# Altium PCB Main_PCB.PcbDoc (part 3 of 13)
Units mil, origin at the board's own origin, x right, y up, seen from the top; angles counter-clockwise.
Board outline 5200 x 6000 mil, 12 copper layers (Top (L1), Int1 (l2), Int2 (L3), Int3 (L4), Int4 (L5), Int5 (L6), Int6 (L7), Int7 (L8), Int8 (L9), Int9 (L10), Int10 (L11), Bot (L12)), stack 94.81 mil thick; 88 components, 424 nets, 1789 pads, 1684 vias.
Unrouted connection lines stored in the file: 914.
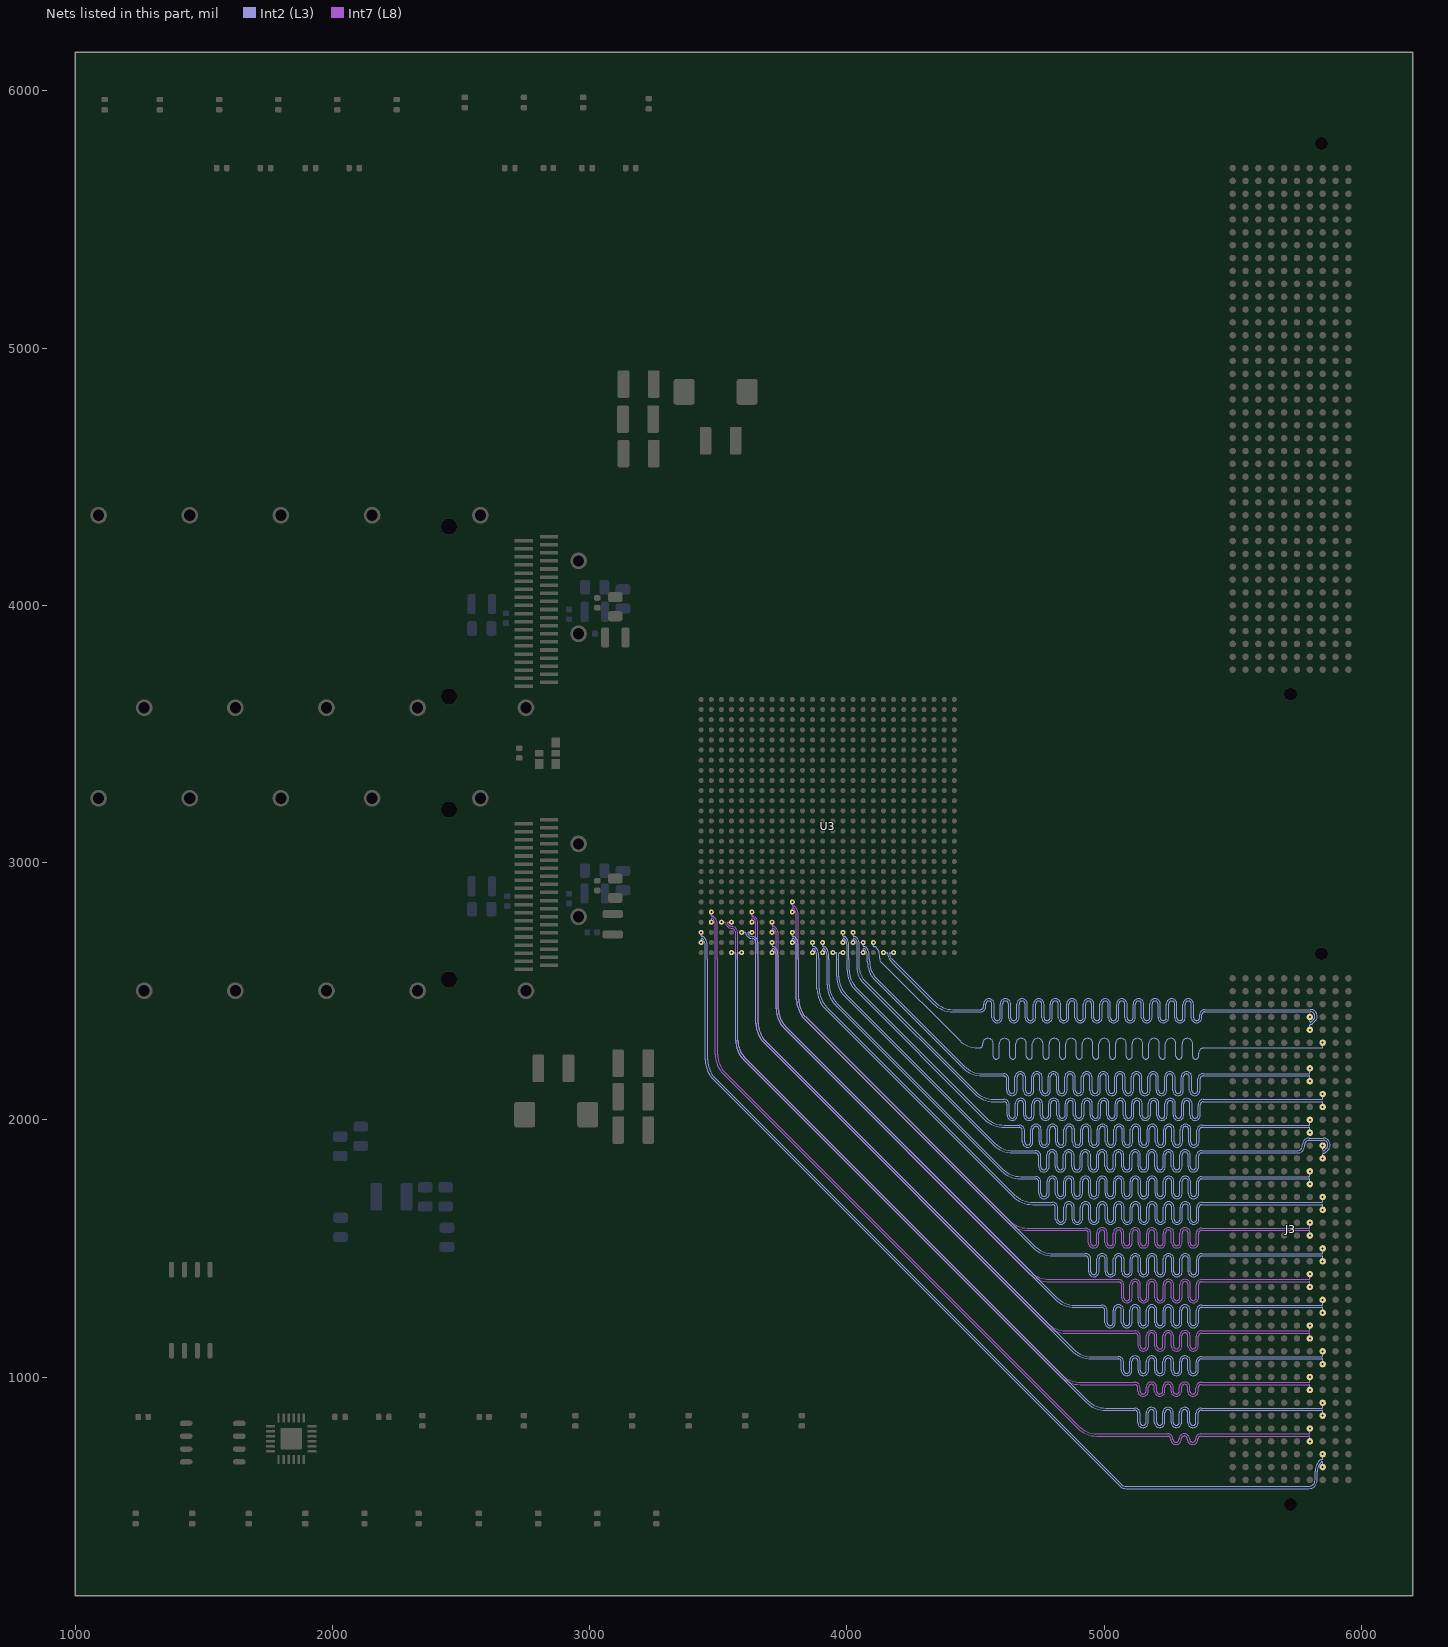
[diagram p13: the nets of this part, all layers, seen from the top]

## Via types
v1: diameter 13.78, hole 7.87, Top (L1) to Bot (L12), tented both sides, 1680 vias
v2: diameter 19.68, hole 7.87, Top (L1) to Bot (L12), tented both sides, 4 vias

## Nets (pads, with @x,y where several pads share a name; then routed paths per layer and width w, separated by ;. In a path a pad name is that pad's centre, name@x,y a point inside that pad or via, vN(x,y) a via of type N, cw(c..) or ccw(c..) an arc to the next point about the centre after c; other vN are vias at no path point) (continued)
HPCC_A_07_P: J3.C6 U3.AE18 | length 3684.2
  Int2 (L3) w3.5: v1(4103.15,2689.37) 4103.15,2676.93 ccw(c4106.65,2676.93) 4104.17,2674.46 ccw(c4106.65,2676.94) 4106.65,2673.43 4106.7,2673.43 cw(c4106.7,2662.56) 4114.39,2670.25 4114.51,2670.13 cw(c4083.15,2638.77) 4127.5,2639.2 4127.5,2628.11 ccw(c4153.11,2628.11) 4135,2610 cw(c4135,2605.56) 4138.14,2608.7 4438.15,2308.69 ccw(c4508.86,2379.4) 4508.86,2279.4 4510.09,2279.4 4516.24,2279.4 ccw(c4516.24,2291.15) 4527.99,2291.15 4527.99,2296.16 cw(c4548.54,2296.16) 4569.09,2296.16 4569.09,2247.71 ccw(c4580.84,2247.71) 4592.59,2247.71 4592.59,2296.16 cw(c4613.14,2296.16) 4633.69,2296.16 4633.69,2247.71 ccw(c4645.44,2247.71) 4657.19,2247.71 4657.19,2296.16 cw(c4677.74,2296.16) 4698.29,2296.16 4698.29,2247.71 ccw(c4710.04,2247.71) 4721.79,2247.71 4721.79,2296.16 cw(c4742.34,2296.16) 4762.89,2296.16 4762.89,2247.71 ccw(c4774.64,2247.71) 4786.39,2247.71 4786.39,2296.16 cw(c4806.94,2296.16) 4827.49,2296.16 4827.49,2247.71 ccw(c4839.24,2247.71) 4850.99,2247.71 4850.99,2296.16 cw(c4871.54,2296.16) 4892.09,2296.16 4892.09,2247.71 ccw(c4903.84,2247.71) 4915.59,2247.71 4915.59,2296.16 cw(c4936.14,2296.16) 4956.69,2296.16 4956.69,2247.71 ccw(c4968.44,2247.71) 4980.19,2247.71 4980.19,2296.16 cw(c5000.74,2296.16) 5021.29,2296.16 5021.29,2247.71 ccw(c5033.04,2247.71) 5044.79,2247.71 5044.79,2296.16 cw(c5065.34,2296.16) 5085.89,2296.16 5085.89,2247.71 ccw(c5097.64,2247.71) 5109.39,2247.71 5109.39,2296.16 cw(c5129.94,2296.16) 5150.49,2296.16 5150.49,2247.71 ccw(c5162.24,2247.71) 5173.99,2247.71 5173.99,2296.16 cw(c5194.54,2296.16) 5215.09,2296.16 5215.09,2247.71 ccw(c5226.84,2247.71) 5238.59,2247.71 5238.59,2296.16 cw(c5259.14,2296.16) 5279.69,2296.16 5279.69,2247.71 ccw(c5291.44,2247.71) 5303.19,2247.71 5303.19,2296.16 cw(c5323.74,2296.16) 5344.29,2296.16 5344.29,2247.71 ccw(c5356.04,2247.71) 5367.79,2247.71 5367.79,2258.85 cw(c5388.34,2258.85) 5388.34,2279.4 5419,2279.4 5846.5,2279.4 ccw(c5846.5,2282.9) 5848.97,2280.43 ccw(c5846.5,2282.9) 5850,2282.9 v1(5850,2300)
HPCC_A_08_N: J3.C11 U3.AE16 | length 3696.7
  Int2 (L3) w3.5: v1(4024.41,2689.37) 4024.41,2701.81 cw(c4027.91,2701.81) 4029.92,2704.67 4033.43,2702.21 cw(c4024.41,2689.37) 4040.1,2689.37 4040.1,2584.1 4040,2584 ; 4040.1,2584.02 ccw(c4104.22,2584.02) 4058.88,2538.68 4495.09,2102.47 ccw(c4572.02,2179.4) 4572.02,2070.6 4572.61,2070.6 4611.06,2070.6 cw(c4611.06,2058.85) 4622.81,2058.85 4622.81,2018.4 ccw(c4643.36,2018.4) 4663.91,2018.4 4663.91,2062.89 cw(c4675.66,2062.89) 4687.41,2062.89 4687.41,2018.4 ccw(c4707.96,2018.4) 4728.51,2018.4 4728.51,2062.89 cw(c4740.26,2062.89) 4752.01,2062.89 4752.01,2018.4 ccw(c4772.56,2018.4) 4793.11,2018.4 4793.11,2062.89 cw(c4804.86,2062.89) 4816.61,2062.89 4816.61,2018.4 ccw(c4837.16,2018.4) 4857.71,2018.4 4857.71,2062.89 cw(c4869.46,2062.89) 4881.21,2062.89 4881.21,2018.4 ccw(c4901.76,2018.4) 4922.31,2018.4 4922.31,2062.89 cw(c4934.06,2062.89) 4945.81,2062.89 4945.81,2018.4 ccw(c4966.36,2018.4) 4986.91,2018.4 4986.91,2062.89 cw(c4998.66,2062.89) 5010.41,2062.89 5010.41,2018.4 ccw(c5030.96,2018.4) 5051.51,2018.4 5051.51,2062.89 cw(c5063.26,2062.89) 5075.01,2062.89 5075.01,2018.4 ccw(c5095.56,2018.4) 5116.11,2018.4 5116.11,2062.89 cw(c5127.86,2062.89) 5139.61,2062.89 5139.61,2018.4 ccw(c5160.16,2018.4) 5180.71,2018.4 5180.71,2062.89 cw(c5192.46,2062.89) 5204.21,2062.89 5204.21,2018.4 ccw(c5224.76,2018.4) 5245.31,2018.4 5245.31,2062.89 cw(c5257.06,2062.89) 5268.81,2062.89 5268.81,2018.4 ccw(c5289.36,2018.4) 5309.91,2018.4 5309.91,2062.89 cw(c5321.66,2062.89) 5333.41,2062.89 5333.41,2018.4 ccw(c5353.96,2018.4) 5374.51,2018.4 5374.51,2058.85 cw(c5386.26,2058.85) 5386.26,2070.6 5413,2070.6 5846.5,2070.6 cw(c5846.5,2067.1) 5848.97,2069.57 cw(c5846.5,2067.1) 5850,2067.1 v1(5850,2050)
HPCC_A_08_P: J3.C10 U3.AD16 | length 3694.6
  Int2 (L3) w3.5: v1(4024.41,2728.74) 4024.41,2716.31 ccw(c4027.91,2716.31) 4027.91,2712.81 cw(c4027.91,2701.81) 4034.23,2710.81 4037.74,2708.34 cw(c4024.41,2689.37) 4047.6,2689.37 4047.6,2625 cw(c4044.46,2621.86) 4048.9,2621.86 4048.9,2587.66 ccw(c4113.02,2587.66) 4067.68,2542.32 4501.31,2108.69 ccw(c4572.02,2179.4) 4572.02,2079.4 4572.61,2079.4 4611.06,2079.4 cw(c4611.06,2058.85) 4631.61,2058.85 4631.61,2018.4 ccw(c4643.36,2018.4) 4655.11,2018.4 4655.11,2062.89 cw(c4675.66,2062.89) 4696.21,2062.89 4696.21,2018.4 ccw(c4707.96,2018.4) 4719.71,2018.4 4719.71,2062.89 cw(c4740.26,2062.89) 4760.81,2062.89 4760.81,2018.4 ccw(c4772.56,2018.4) 4784.31,2018.4 4784.31,2062.89 cw(c4804.86,2062.89) 4825.41,2062.89 4825.41,2018.4 ccw(c4837.16,2018.4) 4848.91,2018.4 4848.91,2062.89 cw(c4869.46,2062.89) 4890.01,2062.89 4890.01,2018.4 ccw(c4901.76,2018.4) 4913.51,2018.4 4913.51,2062.89 cw(c4934.06,2062.89) 4954.61,2062.89 4954.61,2018.4 ccw(c4966.36,2018.4) 4978.11,2018.4 4978.11,2062.89 cw(c4998.66,2062.89) 5019.21,2062.89 5019.21,2018.4 ccw(c5030.96,2018.4) 5042.71,2018.4 5042.71,2062.89 cw(c5063.26,2062.89) 5083.81,2062.89 5083.81,2018.4 ccw(c5095.56,2018.4) 5107.31,2018.4 5107.31,2062.89 cw(c5127.86,2062.89) 5148.41,2062.89 5148.41,2018.4 ccw(c5160.16,2018.4) 5171.91,2018.4 5171.91,2062.89 cw(c5192.46,2062.89) 5213.01,2062.89 5213.01,2018.4 ccw(c5224.76,2018.4) 5236.51,2018.4 5236.51,2062.89 cw(c5257.06,2062.89) 5277.61,2062.89 5277.61,2018.4 ccw(c5289.36,2018.4) 5301.11,2018.4 5301.11,2062.89 cw(c5321.66,2062.89) 5342.21,2062.89 5342.21,2018.4 ccw(c5353.96,2018.4) 5365.71,2018.4 5365.71,2058.85 cw(c5386.26,2058.85) 5386.26,2079.4 5413,2079.4 5846.5,2079.4 ccw(c5846.5,2082.9) 5848.97,2080.43 ccw(c5846.5,2082.9) 5850,2082.9 v1(5850,2100)
HPCC_A_09_N: J3.C15 U3.AF15 | length 3697.3
  Int2 (L3) w3.5: v1(3985.04,2650) 3972.6,2650 ccw(c3972.6,2646.5) 3970.13,2648.97 ccw(c3972.6,2646.5) 3969.1,2646.5 3969.1,2557.32 ccw(c4069.1,2557.32) 3998.39,2486.61 4575.71,1909.29 ccw(c4646.42,1980) 4646.42,1880 4695,1880 4733.45,1880 cw(c4733.45,1859.45) 4754,1859.45 4754,1817.67 ccw(c4765.75,1817.67) 4777.5,1817.67 4777.5,1863.27 cw(c4798.05,1863.27) 4818.6,1863.27 4818.6,1817.67 ccw(c4830.35,1817.67) 4842.1,1817.67 4842.1,1863.27 cw(c4862.65,1863.27) 4883.2,1863.27 4883.2,1817.67 ccw(c4894.95,1817.67) 4906.7,1817.67 4906.7,1863.27 cw(c4927.25,1863.27) 4947.8,1863.27 4947.8,1817.67 ccw(c4959.55,1817.67) 4971.3,1817.67 4971.3,1863.27 cw(c4991.85,1863.27) 5012.4,1863.27 5012.4,1817.67 ccw(c5024.15,1817.67) 5035.9,1817.67 5035.9,1863.27 cw(c5056.45,1863.27) 5077,1863.27 5077,1817.67 ccw(c5088.75,1817.67) 5100.5,1817.67 5100.5,1863.27 cw(c5121.05,1863.27) 5141.6,1863.27 5141.6,1817.67 ccw(c5153.35,1817.67) 5165.1,1817.67 5165.1,1863.27 cw(c5185.65,1863.27) 5206.2,1863.27 5206.2,1817.67 ccw(c5217.95,1817.67) 5229.7,1817.67 5229.7,1863.27 cw(c5250.25,1863.27) 5270.8,1863.27 5270.8,1817.67 ccw(c5282.55,1817.67) 5294.3,1817.67 5294.3,1863.27 cw(c5314.85,1863.27) 5335.4,1863.27 5335.4,1817.67 ccw(c5347.15,1817.67) 5358.9,1817.67 5358.9,1859.45 cw(c5379.45,1859.45) 5379.45,1880 5410,1880 5752.93,1880 ccw(c5752.93,1897.07) 5765,1885 ccw(c5750.03,1899.97) 5771.2,1899.97 5771.2,1902.93 cw(c5797.07,1902.93) 5778.78,1921.22 cw(c5797.07,1902.93) 5797.07,1928.8 5852.93,1928.8 cw(c5852.93,1902.93) 5871.22,1921.22 cw(c5852.93,1902.93) 5878.8,1902.93 5878.8,1900 cw(c5856.6,1900) 5872.3,1884.3 5862.2,1874.2 cw(c5853.5,1882.9) 5853.5,1870.6 ccw(c5853.5,1867.1) 5851.03,1869.57 ccw(c5853.5,1867.1) 5850,1867.1 v1(5850,1850)
HPCC_A_09_P: J3.C14 U3.AF14 | length 3683.9
  Int2 (L3) w3.5: v1(3945.67,2650) 3958.1,2650 cw(c3958.1,2646.5) 3960.58,2648.97 cw(c3958.1,2646.5) 3961.6,2646.5 3961.6,2625 ccw(c3964.74,2621.86) 3960.3,2621.86 3960.3,2557.32 ccw(c4069.1,2557.32) 3992.17,2480.38 4569.49,1903.07 ccw(c4646.42,1980) 4646.42,1871.2 4695,1871.2 4733.45,1871.2 cw(c4733.45,1859.45) 4745.2,1859.45 4745.2,1817.67 ccw(c4765.75,1817.67) 4786.3,1817.67 4786.3,1863.27 cw(c4798.05,1863.27) 4809.8,1863.27 4809.8,1817.67 ccw(c4830.35,1817.67) 4850.9,1817.67 4850.9,1863.27 cw(c4862.65,1863.27) 4874.4,1863.27 4874.4,1817.67 ccw(c4894.95,1817.67) 4915.5,1817.67 4915.5,1863.27 cw(c4927.25,1863.27) 4939,1863.27 4939,1817.67 ccw(c4959.55,1817.67) 4980.1,1817.67 4980.1,1863.27 cw(c4991.85,1863.27) 5003.6,1863.27 5003.6,1817.67 ccw(c5024.15,1817.67) 5044.7,1817.67 5044.7,1863.27 cw(c5056.45,1863.27) 5068.2,1863.27 5068.2,1817.67 ccw(c5088.75,1817.67) 5109.3,1817.67 5109.3,1863.27 cw(c5121.05,1863.27) 5132.8,1863.27 5132.8,1817.67 ccw(c5153.35,1817.67) 5173.9,1817.67 5173.9,1863.27 cw(c5185.65,1863.27) 5197.4,1863.27 5197.4,1817.67 ccw(c5217.95,1817.67) 5238.5,1817.67 5238.5,1863.27 cw(c5250.25,1863.27) 5262,1863.27 5262,1817.67 ccw(c5282.55,1817.67) 5303.1,1817.67 5303.1,1863.27 cw(c5314.85,1863.27) 5326.6,1863.27 5326.6,1817.67 ccw(c5347.15,1817.67) 5367.7,1817.67 5367.7,1859.45 cw(c5379.45,1859.45) 5379.45,1871.2 5410,1871.2 5752.93,1871.2 ccw(c5752.93,1897.07) 5771.22,1878.78 ccw(c5750.03,1899.97) 5780,1899.97 5780,1902.93 cw(c5797.07,1902.93) 5785,1915 cw(c5797.07,1902.93) 5797.07,1920 5852.93,1920 cw(c5852.93,1902.93) 5865,1915 cw(c5852.93,1902.93) 5870,1902.93 5870,1900 cw(c5856.6,1900) 5866.08,1890.53 5855.97,1880.43 ; v1(5850,1900) 5850,1882.9 ccw(c5853.5,1882.9) 5851.03,1880.43 ccw(c5853.5,1882.9) 5853.5,1879.4 ccw(c5853.5,1882.9) 5855.97,1880.42
HPCC_A_10_N: J3.C19 U3.AF12 | length 3694.9
  Int2 (L3) w3.5: v1(3866.93,2650) 3866.93,2662.43 cw(c3870.43,2662.43) 3867.95,2664.91 cw(c3870.43,2662.44) 3870.43,2665.93 cw(c3870.43,2662.44) 3872.9,2664.91 cw(c3846.12,2638.12) 3884,2638.12 3884,2508.62 ccw(c3992.8,2508.62) 3915.87,2431.69 4645.09,1702.47 ccw(c4722.02,1779.4) 4722.02,1670.6 4760.82,1670.6 4799.27,1670.6 cw(c4799.27,1658.85) 4811.02,1658.85 4811.02,1614.16 ccw(c4831.57,1614.16) 4852.12,1614.16 4852.12,1660.69 cw(c4863.87,1660.69) 4875.62,1660.69 4875.62,1614.16 ccw(c4896.17,1614.16) 4916.72,1614.16 4916.72,1660.69 cw(c4928.47,1660.69) 4940.22,1660.69 4940.22,1614.16 ccw(c4960.77,1614.16) 4981.32,1614.16 4981.32,1660.69 cw(c4993.07,1660.69) 5004.82,1660.69 5004.82,1614.16 ccw(c5025.37,1614.16) 5045.92,1614.16 5045.92,1660.69 cw(c5057.67,1660.69) 5069.42,1660.69 5069.42,1614.16 ccw(c5089.97,1614.16) 5110.52,1614.16 5110.52,1660.69 cw(c5122.27,1660.69) 5134.02,1660.69 5134.02,1614.16 ccw(c5154.57,1614.16) 5175.12,1614.16 5175.12,1660.69 cw(c5186.87,1660.69) 5198.62,1660.69 5198.62,1614.16 ccw(c5219.17,1614.16) 5239.72,1614.16 5239.72,1660.69 cw(c5251.47,1660.69) 5263.22,1660.69 5263.22,1614.16 ccw(c5283.77,1614.16) 5304.32,1614.16 5304.32,1660.69 cw(c5316.07,1660.69) 5327.82,1660.69 5327.82,1614.16 ccw(c5348.37,1614.16) 5368.92,1614.16 5368.92,1658.85 cw(c5380.67,1658.85) 5380.67,1670.6 5444,1670.6 5846.5,1670.6 cw(c5846.5,1667.1) 5848.97,1669.57 cw(c5846.5,1667.1) 5850,1667.1 v1(5850,1650)
HPCC_A_10_P: J3.C18 U3.AE12 | length 3693.3
  Int2 (L3) w3.5: v1(3866.93,2689.37) 3866.93,2676.93 ccw(c3870.43,2676.93) 3867.95,2674.46 ccw(c3870.43,2676.94) 3870.43,2673.43 3870.48,2673.43 cw(c3870.48,2662.56) 3878.17,2670.25 3878.29,2670.13 cw(c3846.4,2638.24) 3891.5,2638.24 3891.5,2625 cw(c3888.36,2621.86) 3892.8,2621.86 3892.8,2508.62 ccw(c3992.8,2508.62) 3922.09,2437.91 4651.31,1708.69 ccw(c4722.02,1779.4) 4722.02,1679.4 4760.82,1679.4 4799.27,1679.4 cw(c4799.27,1658.85) 4819.82,1658.85 4819.82,1614.16 ccw(c4831.57,1614.16) 4843.32,1614.16 4843.32,1660.69 cw(c4863.87,1660.69) 4884.42,1660.69 4884.42,1614.16 ccw(c4896.17,1614.16) 4907.92,1614.16 4907.92,1660.69 cw(c4928.47,1660.69) 4949.02,1660.69 4949.02,1614.16 ccw(c4960.77,1614.16) 4972.52,1614.16 4972.52,1660.69 cw(c4993.07,1660.69) 5013.62,1660.69 5013.62,1614.16 ccw(c5025.37,1614.16) 5037.12,1614.16 5037.12,1660.69 cw(c5057.67,1660.69) 5078.22,1660.69 5078.22,1614.16 ccw(c5089.97,1614.16) 5101.72,1614.16 5101.72,1660.69 cw(c5122.27,1660.69) 5142.82,1660.69 5142.82,1614.16 ccw(c5154.57,1614.16) 5166.32,1614.16 5166.32,1660.69 cw(c5186.87,1660.69) 5207.42,1660.69 5207.42,1614.16 ccw(c5219.17,1614.16) 5230.92,1614.16 5230.92,1660.69 cw(c5251.47,1660.69) 5272.02,1660.69 5272.02,1614.16 ccw(c5283.77,1614.16) 5295.52,1614.16 5295.52,1660.69 cw(c5316.07,1660.69) 5336.62,1660.69 5336.62,1614.16 ccw(c5348.37,1614.16) 5360.12,1614.16 5360.12,1658.85 cw(c5380.67,1658.85) 5380.67,1679.4 5444,1679.4 5846.5,1679.4 ccw(c5846.5,1682.9) 5848.97,1680.43 ccw(c5846.5,1682.9) 5850,1682.9 v1(5850,1700)
HPCC_A_11_N: J3.C23 U3.AE10 | length 3696.1
  Int2 (L3) w3.5: v1(3788.19,2689.37) 3788.19,2701.81 cw(c3791.69,2701.81) 3789.21,2704.28 cw(c3791.69,2701.81) 3791.69,2705.31 cw(c3791.69,2701.81) 3794.16,2704.28 cw(c3770.42,2680.53) 3804,2680.53 3804,2594.66 ; 3804,2594.35 3804,2468.62 ccw(c3912.8,2468.62) 3835.87,2391.69 4725.09,1502.47 ccw(c4802.02,1579.4) 4802.02,1470.6 4889.45,1470.6 4927.9,1470.6 cw(c4927.9,1458.85) 4939.65,1458.85 4939.65,1410.17 ccw(c4960.2,1410.17) 4980.75,1410.17 4980.75,1459.04 cw(c4992.5,1459.04) 5004.25,1459.04 5004.25,1410.17 ccw(c5024.8,1410.17) 5045.35,1410.17 5045.35,1459.04 cw(c5057.1,1459.04) 5068.85,1459.04 5068.85,1410.17 ccw(c5089.4,1410.17) 5109.95,1410.17 5109.95,1459.04 cw(c5121.7,1459.04) 5133.45,1459.04 5133.45,1410.17 ccw(c5154,1410.17) 5174.55,1410.17 5174.55,1459.04 cw(c5186.3,1459.04) 5198.05,1459.04 5198.05,1410.17 ccw(c5218.6,1410.17) 5239.15,1410.17 5239.15,1459.04 cw(c5250.9,1459.04) 5262.65,1459.04 5262.65,1410.17 ccw(c5283.2,1410.17) 5303.75,1410.17 5303.75,1459.04 cw(c5315.5,1459.04) 5327.25,1459.04 5327.25,1410.17 ccw(c5347.8,1410.17) 5368.35,1410.17 5368.35,1458.85 cw(c5380.1,1458.85) 5380.1,1470.6 5409,1470.6 5846.5,1470.6 cw(c5846.5,1467.1) 5848.97,1469.57 cw(c5846.5,1467.1) 5850,1467.1 v1(5850,1450)
HPCC_A_11_P: J3.C22 U3.AD10 | length 3694.7
  Int2 (L3) w3.5: v1(3788.19,2728.74) 3788.19,2716.31 ccw(c3791.69,2716.31) 3789.21,2713.83 ccw(c3791.69,2716.31) 3791.69,2712.81 3791.74,2712.81 cw(c3791.74,2701.93) 3799.43,2709.62 3799.54,2709.51 cw(c3770.67,2680.64) 3811.5,2680.64 3811.5,2625 cw(c3808.36,2621.86) 3812.8,2621.86 3812.8,2468.62 ccw(c3912.8,2468.62) 3842.09,2397.91 4731.31,1508.69 ccw(c4802.02,1579.4) 4802.02,1479.4 4889.45,1479.4 4927.9,1479.4 cw(c4927.9,1458.85) 4948.45,1458.85 4948.45,1410.17 ccw(c4960.2,1410.17) 4971.95,1410.17 4971.95,1459.04 cw(c4992.5,1459.04) 5013.05,1459.04 5013.05,1410.17 ccw(c5024.8,1410.17) 5036.55,1410.17 5036.55,1459.04 cw(c5057.1,1459.04) 5077.65,1459.04 5077.65,1410.17 ccw(c5089.4,1410.17) 5101.15,1410.17 5101.15,1459.04 cw(c5121.7,1459.04) 5142.25,1459.04 5142.25,1410.17 ccw(c5154,1410.17) 5165.75,1410.17 5165.75,1459.04 cw(c5186.3,1459.04) 5206.85,1459.04 5206.85,1410.17 ccw(c5218.6,1410.17) 5230.35,1410.17 5230.35,1459.04 cw(c5250.9,1459.04) 5271.45,1459.04 5271.45,1410.17 ccw(c5283.2,1410.17) 5294.95,1410.17 5294.95,1459.04 cw(c5315.5,1459.04) 5336.05,1459.04 5336.05,1410.17 ccw(c5347.8,1410.17) 5359.55,1410.17 5359.55,1458.85 cw(c5380.1,1458.85) 5380.1,1479.4 5409,1479.4 5846.5,1479.4 ccw(c5846.5,1482.9) 5848.97,1480.43 ccw(c5846.5,1482.9) 5850,1482.9 v1(5850,1500)
HPCC_A_12_N: J3.C27 U3.AF8 | length 3699.2
  Int2 (L3) w3.5: v1(3709.45,2650) 3709.45,2662.43 cw(c3712.95,2662.43) 3710.47,2664.91 cw(c3712.95,2662.44) 3712.95,2665.93 cw(c3712.95,2662.44) 3715.42,2664.91 cw(c3691.1,2640.58) 3725.5,2640.58 3725.5,2591.69 ; 3725.5,2591.35 3725.5,2432.12 ccw(c3834.3,2432.12) 3757.37,2355.19 4810.09,1302.47 ccw(c4887.02,1379.4) 4887.02,1270.6 4953,1270.6 4991.45,1270.6 cw(c4991.45,1258.85) 5003.2,1258.85 5003.2,1211.88 ccw(c5023.75,1211.88) 5044.3,1211.88 5044.3,1260.52 cw(c5056.05,1260.52) 5067.8,1260.52 5067.8,1211.88 ccw(c5088.35,1211.88) 5108.9,1211.88 5108.9,1260.52 cw(c5120.65,1260.52) 5132.4,1260.52 5132.4,1211.88 ccw(c5152.95,1211.88) 5173.5,1211.88 5173.5,1260.52 cw(c5185.25,1260.52) 5197,1260.52 5197,1211.88 ccw(c5217.55,1211.88) 5238.1,1211.88 5238.1,1260.52 cw(c5249.85,1260.52) 5261.6,1260.52 5261.6,1211.88 ccw(c5282.15,1211.88) 5302.7,1211.88 5302.7,1260.52 cw(c5314.45,1260.52) 5326.2,1260.52 5326.2,1211.88 ccw(c5346.75,1211.88) 5367.3,1211.88 5367.3,1258.85 cw(c5379.05,1258.85) 5379.05,1270.6 5433,1270.6 5846.5,1270.6 cw(c5846.5,1267.1) 5848.97,1269.57 cw(c5846.5,1267.1) 5850,1267.1 v1(5850,1250)
HPCC_A_12_P: J3.C26 U3.AE8 | length 3697.8
  Int2 (L3) w3.5: v1(3709.45,2689.37) 3709.45,2676.93 ccw(c3712.95,2676.93) 3710.47,2674.46 ccw(c3712.95,2676.94) 3712.95,2673.43 3713,2673.43 cw(c3713,2662.56) 3720.69,2670.25 3720.75,2670.19 cw(c3691.19,2640.62) 3733,2640.62 3733,2625 cw(c3729.86,2621.86) 3734.3,2621.86 3734.3,2432.12 ccw(c3834.3,2432.12) 3763.59,2361.41 4816.31,1308.69 ccw(c4887.02,1379.4) 4887.02,1279.4 4953,1279.4 4991.45,1279.4 cw(c4991.45,1258.85) 5012,1258.85 5012,1211.88 ccw(c5023.75,1211.88) 5035.5,1211.88 5035.5,1260.52 cw(c5056.05,1260.52) 5076.6,1260.52 5076.6,1211.88 ccw(c5088.35,1211.88) 5100.1,1211.88 5100.1,1260.52 cw(c5120.65,1260.52) 5141.2,1260.52 5141.2,1211.88 ccw(c5152.95,1211.88) 5164.7,1211.88 5164.7,1260.52 cw(c5185.25,1260.52) 5205.8,1260.52 5205.8,1211.88 ccw(c5217.55,1211.88) 5229.3,1211.88 5229.3,1260.52 cw(c5249.85,1260.52) 5270.4,1260.52 5270.4,1211.88 ccw(c5282.15,1211.88) 5293.9,1211.88 5293.9,1260.52 cw(c5314.45,1260.52) 5335,1260.52 5335,1211.88 ccw(c5346.75,1211.88) 5358.5,1211.88 5358.5,1258.85 cw(c5379.05,1258.85) 5379.05,1279.4 5433,1279.4 5846.5,1279.4 ccw(c5846.5,1282.9) 5848.97,1280.43 ccw(c5846.5,1282.9) 5850,1282.9 v1(5850,1300)
HPCC_A_13_N: J3.C31 U3.AD5 | length 3705.6
  Int2 (L3) w3.5: v1(3591.34,2728.74) 3603.77,2728.74 cw(c3603.77,2725.24) 3607.27,2725.24 ccw(c3618.27,2725.24) 3609.27,2718.92 3611.74,2715.41 ccw(c3630.71,2728.74) 3627.04,2705.85 3633.19,2704.86 cw(c3630.71,2689.37) 3646.4,2689.41 3646.5,2648.43 3646.5,2376.12 ccw(c3755.3,2376.12) 3678.37,2299.19 4875.09,1102.47 ccw(c4952.02,1179.4) 4952.02,1070.6 5017.29,1070.6 5055.74,1070.6 cw(c5055.74,1058.85) 5067.49,1058.85 5067.49,1025.99 ccw(c5088.04,1025.99) 5108.59,1025.99 5108.59,1061.74 cw(c5120.34,1061.74) 5132.09,1061.74 5132.09,1025.99 ccw(c5152.64,1025.99) 5173.19,1025.99 5173.19,1061.74 cw(c5184.94,1061.74) 5196.69,1061.74 5196.69,1025.99 ccw(c5217.24,1025.99) 5237.79,1025.99 5237.79,1061.74 cw(c5249.54,1061.74) 5261.29,1061.74 5261.29,1025.99 ccw(c5281.84,1025.99) 5302.39,1025.99 5302.39,1061.74 cw(c5314.14,1061.74) 5325.89,1061.74 5325.89,1025.99 ccw(c5346.44,1025.99) 5366.99,1025.99 5366.99,1058.85 cw(c5378.74,1058.85) 5378.74,1070.6 5403.64,1070.6 5846.5,1070.6 cw(c5846.5,1067.1) 5848.97,1069.57 cw(c5846.5,1067.1) 5850,1067.1 v1(5850,1050)
HPCC_A_13_P: J3.C30 U3.AD6 | length 3692.1
  Int2 (L3) w3.5: v1(3630.71,2728.74) 3618.27,2728.74 ccw(c3618.27,2725.24) 3615.41,2723.23 3617.87,2719.72 ccw(c3630.71,2728.74) 3628.23,2713.25 3634.38,2712.26 cw(c3630.71,2689.37) 3653.9,2689.43 3654,2648.45 3654,2625 cw(c3650.86,2621.86) 3655.3,2621.86 3655.3,2376.12 ccw(c3755.3,2376.12) 3684.59,2305.41 4881.31,1108.69 ccw(c4952.02,1179.4) 4952.02,1079.4 5017.29,1079.4 5055.74,1079.4 cw(c5055.74,1058.85) 5076.29,1058.85 5076.29,1025.99 ccw(c5088.04,1025.99) 5099.79,1025.99 5099.79,1061.74 cw(c5120.34,1061.74) 5140.89,1061.74 5140.89,1025.99 ccw(c5152.64,1025.99) 5164.39,1025.99 5164.39,1061.74 cw(c5184.94,1061.74) 5205.49,1061.74 5205.49,1025.99 ccw(c5217.24,1025.99) 5228.99,1025.99 5228.99,1061.74 cw(c5249.54,1061.74) 5270.09,1061.74 5270.09,1025.99 ccw(c5281.84,1025.99) 5293.59,1025.99 5293.59,1061.74 cw(c5314.14,1061.74) 5334.69,1061.74 5334.69,1025.99 ccw(c5346.44,1025.99) 5358.19,1025.99 5358.19,1058.85 cw(c5378.74,1058.85) 5378.74,1079.4 5403.64,1079.4 5846.5,1079.4 ccw(c5846.5,1082.9) 5848.97,1080.43 ccw(c5846.5,1082.9) 5850,1082.9 v1(5850,1100)
HPCC_A_14_N: J3.C35 U3.AF4 | length 3706.3
  Int2 (L3) w3.5: v1(3551.97,2650) 3564.4,2650 cw(c3564.4,2646.5) 3566.88,2648.97 cw(c3564.4,2646.5) 3567.9,2646.5 3567.9,2597.96 ; 3567.9,2596.35 3567.9,2309.72 ccw(c3676.7,2309.72) 3599.77,2232.78 4930.09,902.47 ccw(c5007.02,979.4) 5007.02,870.6 5081,870.6 5119.45,870.6 cw(c5119.45,858.85) 5131.2,858.85 5131.2,824.26 ccw(c5151.75,824.26) 5172.3,824.26 5172.3,861.3 cw(c5184.05,861.3) 5195.8,861.3 5195.8,824.26 ccw(c5216.35,824.26) 5236.9,824.26 5236.9,861.3 cw(c5248.65,861.3) 5260.4,861.3 5260.4,824.26 ccw(c5280.95,824.26) 5301.5,824.26 5301.5,861.3 cw(c5313.25,861.3) 5325,861.3 5325,824.26 ccw(c5345.55,824.26) 5366.1,824.26 5366.1,858.85 cw(c5377.85,858.85) 5377.85,870.6 5436,870.6 5846.5,870.6 cw(c5846.5,867.1) 5848.97,869.57 cw(c5846.5,867.1) 5850,867.1 v1(5850,850)
HPCC_A_14_P: J3.C34 U3.AF5 | length 3694.5
  Int2 (L3) w3.5: v1(3591.34,2650) 3578.9,2650 ccw(c3578.9,2646.5) 3576.43,2648.97 ccw(c3578.9,2646.5) 3575.4,2646.5 3575.4,2625 cw(c3572.27,2621.86) 3576.7,2621.86 3576.7,2309.72 ccw(c3676.7,2309.72) 3605.99,2239.01 4936.31,908.69 ccw(c5007.02,979.4) 5007.02,879.4 5081,879.4 5119.45,879.4 cw(c5119.45,858.85) 5140,858.85 5140,824.26 ccw(c5151.75,824.26) 5163.5,824.26 5163.5,861.3 cw(c5184.05,861.3) 5204.6,861.3 5204.6,824.26 ccw(c5216.35,824.26) 5228.1,824.26 5228.1,861.3 cw(c5248.65,861.3) 5269.2,861.3 5269.2,824.26 ccw(c5280.95,824.26) 5292.7,824.26 5292.7,861.3 cw(c5313.25,861.3) 5333.8,861.3 5333.8,824.26 ccw(c5345.55,824.26) 5357.3,824.26 5357.3,858.85 cw(c5377.85,858.85) 5377.85,879.4 5436,879.4 5846.5,879.4 ccw(c5846.5,882.9) 5848.97,880.43 ccw(c5846.5,882.9) 5850,882.9 v1(5850,900)